# Altium PCB Einsy_Rambo.PcbDoc (part 1 of 5) (continued)
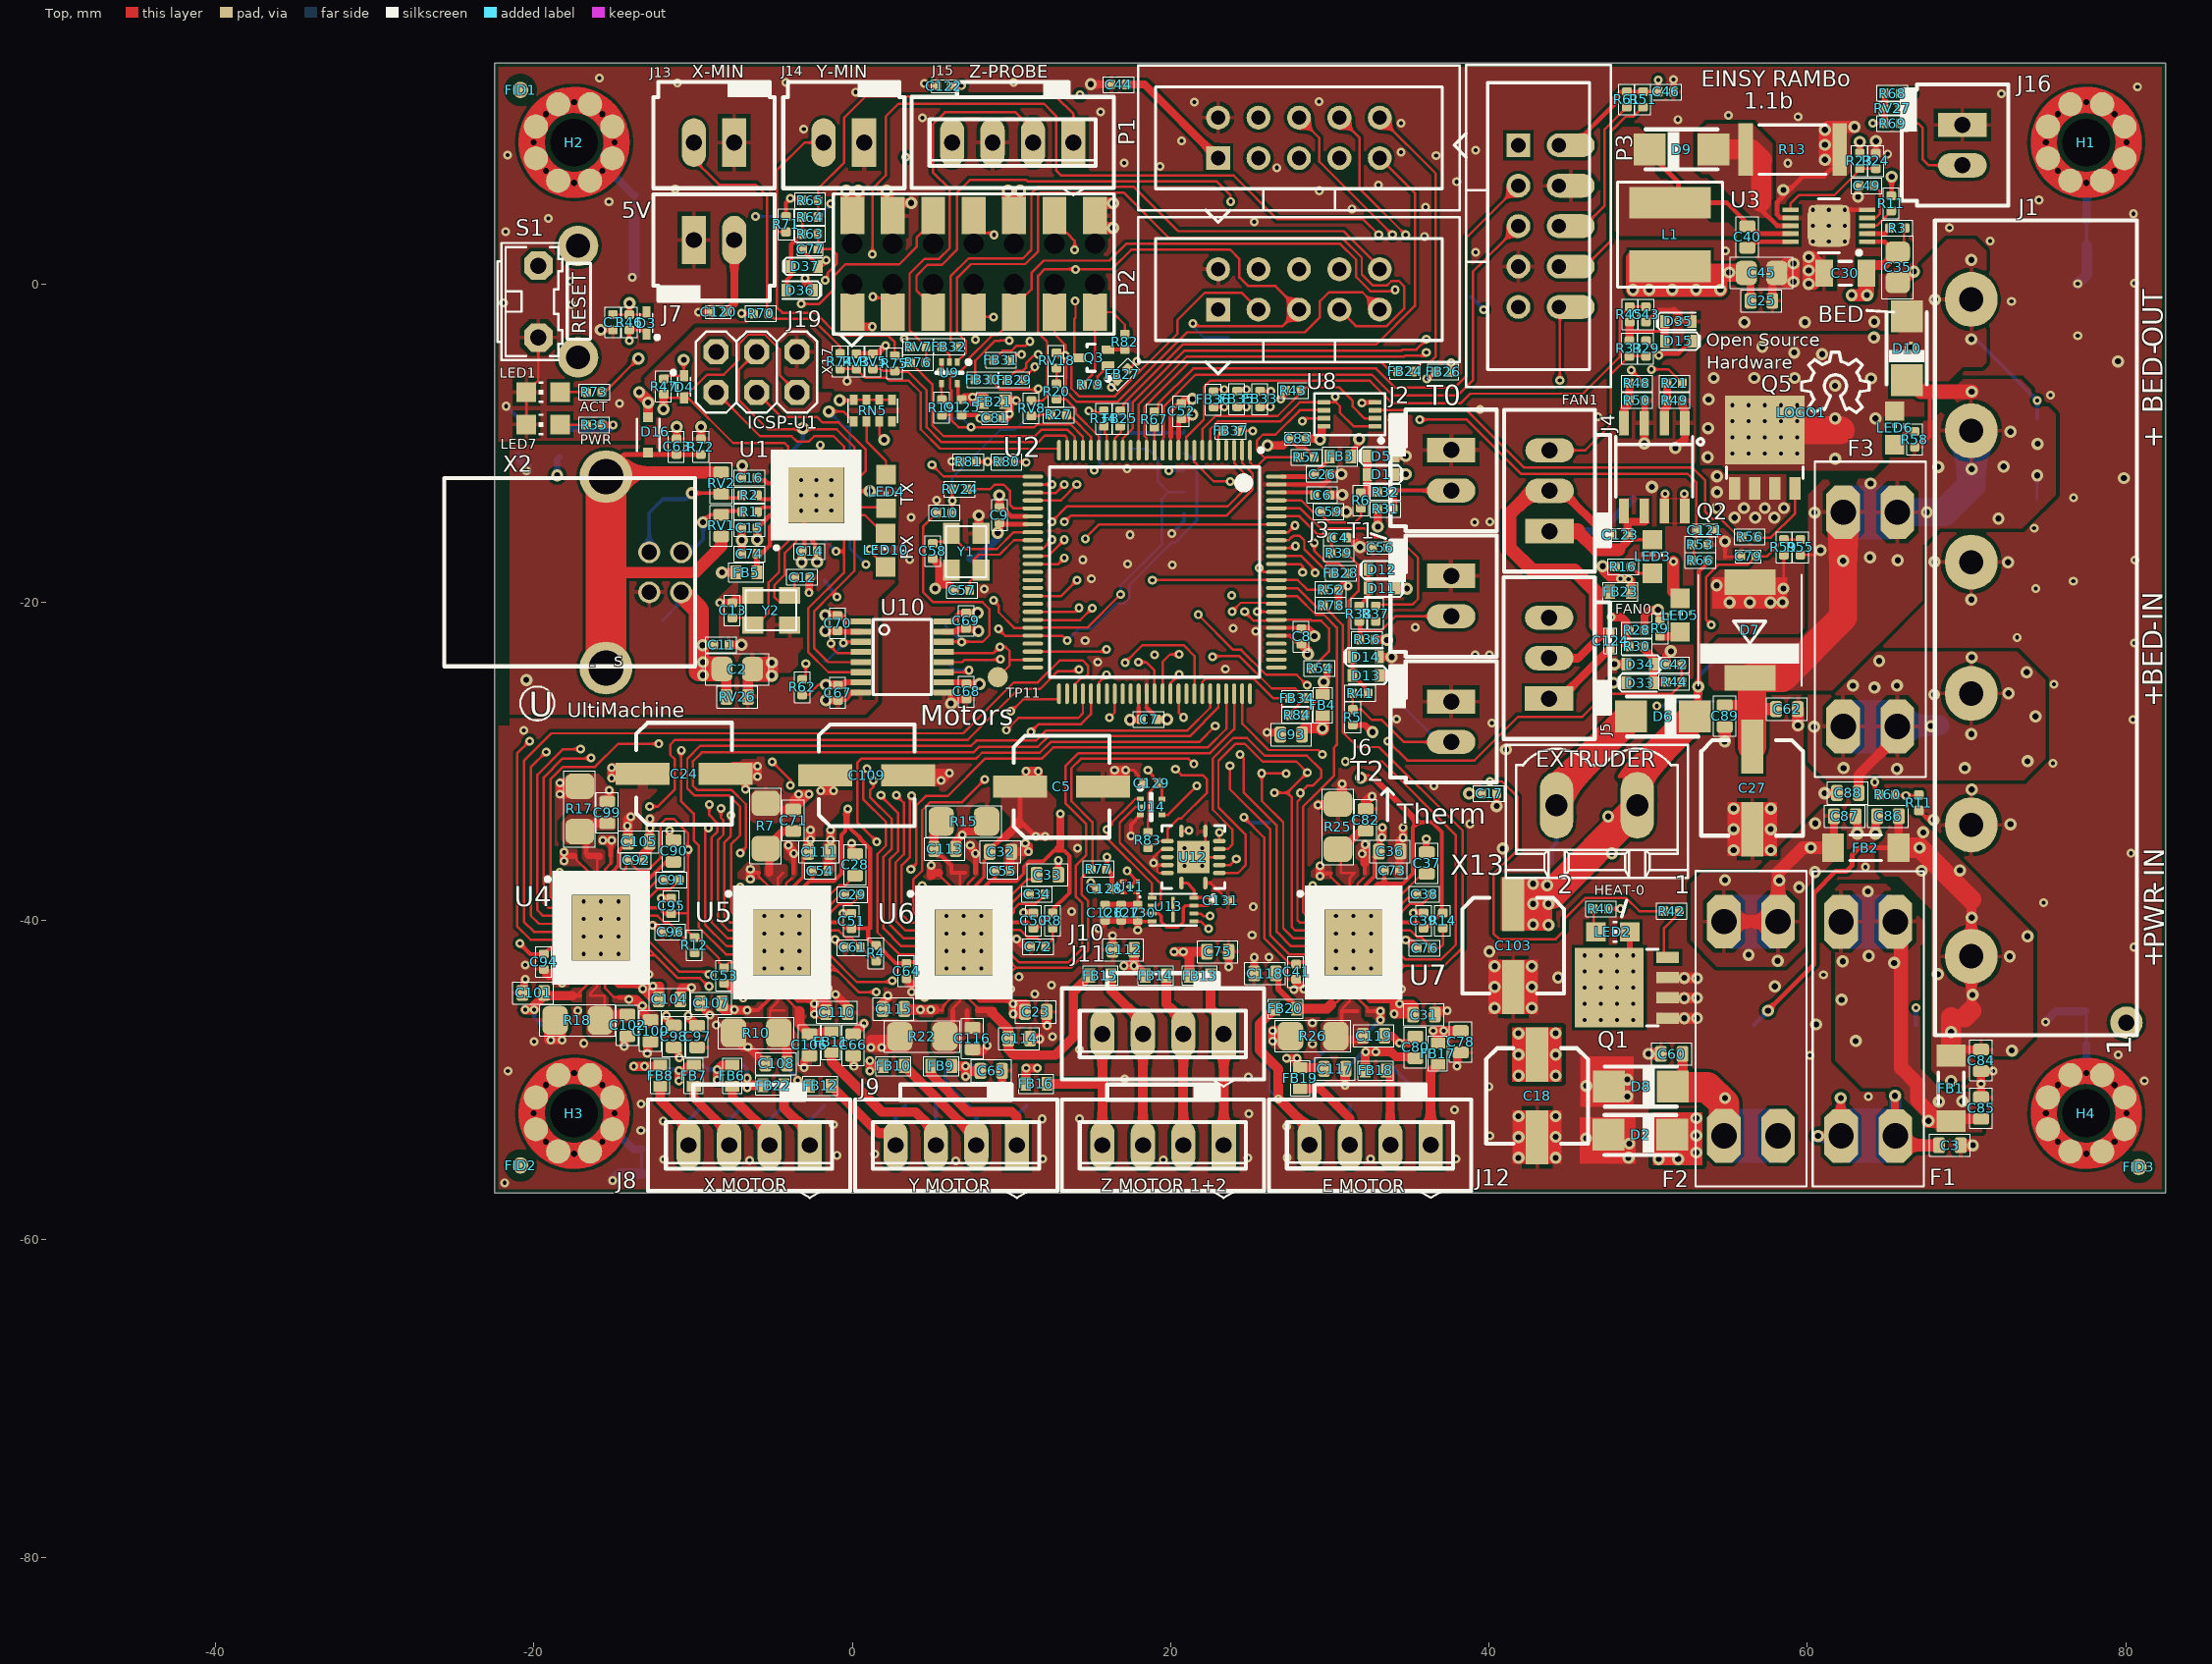
[diagram p0: Top view]
## Components (designator, comment, footprint, x,y, rotation, side; value= is the part's Value field where it differs from the comment) (continued)
C109 "UWT1V101MCL1GS" CAP-ELEC-063063077 0.898,-30.861 r180 top locked value=100uF
C110 "100nF" C0603 -0.972,-45.752 r180 top
C111 "100nF" C0603 -2.089,-35.668 r180 top
C112 "1nF" C0603 17.025,-41.825 r180 top
C113 "100nF" C0603 5.81,-35.49 r180 top
C114 "1nF" C0603 10.484,-47.403 r0 top
C115 "1nF" C0603 2.584,-45.549 r180 top
C116 "100nF" C0603 7.544,-47.396 r90 top
C117 "1nF" C0603 30.321,-49.308 r0 top
C118 "1nF" C0603 25.927,-43.313 r180 top
C119 "100nF" C0603 32.76,-47.225 r180 top
C120 "100nF" C0402#2 -8.414,-1.746 r0 top
C121 "100nF" C0402#2 53.594,-15.469 r0 top
C122 "100nF" C0402#2 5.759,12.452 r0 top
C123 "100nF" C0402#2 48.235,-15.748 r180 top
C124 "100nF" C0402#2 47.625,-22.403 r90 top
C125 "100nF" C0402#1 6.875,-7.75 r90 top
C126 "1uF" C0402#1 15.875,-39.5 r90 top
C127 "1uF" C0402#1 16.9,-39.5 r90 top
C128 "1uF" C0402#1 15.825,-38 r0 top
C129 "100nF" C0402#1 18.775,-31.35 r0 top
C130 "100nF" C0402#1 17.925,-39.5 r90 top
C131 "100nF" C0402#1 23.125,-38.725 r0 top
D1 "BAT54" SOD523_IPC 33.217,-11.97 r180 top
D2 "SMAJ28A" SMA-SM#1 49.519,-53.452 r180 top
D3 "1N4148WT" SOD523 -12.935,-2.445 r90 top
D4 "1N4148WT" SOD523 -10.568,-6.455 r270 top
D5 "BAT54" SOD523_IPC 33.217,-10.801 r0 top
D6 "SK310A-TP" SMA-SM#2 50.921,-27.159 r180 top value=SK310A
D7 "S3A-13-F" DO-214AB 56.39,-21.744 r90 top locked
D8 "SMAJ28A" SMA-SM#1 49.542,-50.408 r180 top
D9 "SK310A-TP" SMA-SM#2 52.089,8.452 r0 top value=SK310A
D10 "SK310A-TP" SMA-SM#2 66.243,-4.039 r90 top value=SK310A
D11 "BAT54" SOD523_IPC 33.268,-19.107 r180 top
D12 "BAT54" SOD523_IPC 33.268,-17.939 r0 top
D13 "BAT54" SOD523_IPC 32.265,-24.594 r180 top
D14 "BAT54" SOD523_IPC 32.252,-23.425 r0 top
D15 "BAT54" SOD523_IPC 51.892,-3.581 r180 top
D16 "RSB39VTE-17" SOD323-R -12.829,-9.474 r270 top value=30V
D33 "BAT54" SOD523_IPC 49.473,-25.051 r0 top
D34 "BAT54" SOD523_IPC 49.473,-23.882 r180 top
D35 "BAT54" SOD523_IPC 51.892,-2.337 r0 top
D36 "BAT54" SOD523_IPC -3.302,-0.381 r180 top
D37 "BAT54" SOD523_IPC -2.997,1.118 r0 top
F1 "3557-2" 3557 63.824,-46.793 r270 top value=Fuse
F2 "3557-2" 3557 56.457,-46.783 r270 top locked value=Fuse
F3 "3557-2" 3557 63.951,-21.063 r90 top locked value=Fuse
FB1 "BLM41PG600SN1L" L1806 69.031,-50.527 r270 top value=60R
FB2 "BLM41PG600SN1L" L1806 63.671,-35.414 r180 top value=60R
FB3 "120R" FB0603 30.651,-10.827 r180 top value=120Rfb
FB4 "120R" FB0603 29.559,-26.448 r270 top value=120Rfb
FB5 "120R" FB0603 -6.661,-18.117 r0 top value=120Rfb
FB6 "120R" FB0603 -7.544,-49.738 r270 top value=120Rfb
FB7 "120R" FB0603 -9.957,-49.733 r270 top value=120Rfb
FB8 "120R" FB0603 -12.065,-49.733 r270 top value=120Rfb
FB9 "120R" FB0603 5.588,-49.124 r180 top value=120Rfb
FB10 "120R" FB0603 2.591,-49.124 r0 top value=120Rfb
FB11 "120R" FB0603 -1.321,-47.625 r270 top value=120Rfb
FB12 "120R" FB0603 -2.007,-50.368 r0 top value=120Rfb
FB13 "120R" FB0603 21.838,-43.44 r0 top value=120Rfb
FB14 "120R" FB0603 19.069,-43.44 r0 top value=120Rfb
FB15 "120R" FB0603 15.589,-43.44 r0 top value=120Rfb
FB16 "120R" FB0603 11.557,-50.241 r0 top value=120Rfb
FB17 "120R" FB0603 36.798,-48.343 r270 top value=120Rfb
FB18 "120R" FB0603 32.887,-49.409 r0 top value=120Rfb
FB19 "120R" FB0603 28.137,-49.892 r270 top value=120Rfb
FB20 "120R" FB0603 27.222,-45.523 r180 top value=120Rfb
FB21 "120R" FB0603 8.909,-7.398 r0 top value=120Rfb
FB22 "120R" FB0603 -4.953,-50.343 r0 top value=120Rfb
FB23 "120R" FB0603 48.26,-19.329 r180 top value=120Rfb
FB24 "120R" R0402#1 34.741,-5.493 r0 top value=120Rfb
FB25 "120R" R0402#1 16.825,-8.45 r270 top value=120Rfb
FB26 "120R" R0402#1 37.128,-5.518 r0 top value=120Rfb
FB27 "120R" R0402#1 16.975,-5.675 r225 top value=120Rfb
FB28 "120R" R0402#1 30.702,-18.167 r0 top value=120Rfb
FB29 "120R" R0402#1 10.179,-6.026 r0 top value=120Rfb
FB30 "120R" R0402#1 8.198,-6.001 r180 top value=120Rfb
FB31 "120R" R0402#1 9.35,-4.775 r0 top value=120Rfb
FB32 "120R" R0402#1 6.096,-3.937 r0 top value=120Rfb
FB33 "120R" R0402#1 25.622,-7.22 r90 top value=120Rfb
FB34 "120R" R0402#1 27.959,-26.016 r180 top value=120Rfb
FB35 "120R" R0402#1 24.174,-7.22 r90 top value=120Rfb
FB36 "120R" R0402#1 22.701,-7.245 r90 top value=120Rfb
FB37 "120R" R0402#1 23.775,-9.225 r180 top value=120Rfb
FID1 "FIDUCIAL" FIDUCIAL-1X2 -20.854,12.201 r0 top
FID2 "FIDUCIAL" FIDUCIAL-1X2 -20.854,-55.374 r0 top
FID3 "FIDUCIAL" FIDUCIAL-1X2 80.821,-55.474 r0 top
H1 "Hole" Wave_hole_3x7-singleSided#1 77.521,8.901 r0 top
H2 "Hole" Wave_hole_3x7-singleSided#2 -17.479,8.901 r0 top
H3 "Hole" Wave_hole_3x7-singleSided#3 -17.479,-52.099 r0 top
H4 "Hole" Wave_hole_3x7-singleSided#3 77.521,-52.099 r0 top
J1 "2-1437667-9" CON-Barrier-6-8.26mm 74.365,-21.596 r90 top locked value=6POS
J2 "CONN 2PIN VERT 0.1\" SHRD LOCKING" "70543-02 PIN-IN-PASTE" 37.621,-11.699 r270 top locked value=HDR2
J3 "CONN 2PIN VERT 0.1\" SHRD LOCKING" "70543-02 PIN-IN-PASTE" 37.621,-19.599 r270 top locked value=HDR2
J4 "Molex 70543-03" "70543-03 PIN-IN-PASTE" 43.809,-12.986 r90 top locked value=HDR3
J5 "Molex 70543-03" "70543-03 PIN-IN-PASTE" 43.783,-23.501 r90 top locked value=HDR3
J6 "CONN 2PIN VERT 0.1\" SHRD LOCKING" "70543-02 PIN-IN-PASTE" 37.621,-27.499 r270 top locked value=HDR2
J7 "CONN 2PIN VERT 0.1\" SHRD LOCKING" "70543-02 PIN-IN-PASTE" -8.687,2.769 r0 top locked value=HDR2
J8 "Molex 0705430003" "4POL254 PIN-IN-PASTE" -6.477,-54.102 r180 top locked
J9 "Molex 0705430003" "4POL254 PIN-IN-PASTE" 6.523,-54.102 r180 top locked
J10 "Molex 0705430003" "4POL254 PIN-IN-PASTE" 19.523,-47.102 r180 top locked
J11 "Molex 0705430003" "4POL254 PIN-IN-PASTE" 19.523,-54.102 r180 top locked
J12 "Molex 0705430003" "4POL254 PIN-IN-PASTE" 32.533,-54.092 r180 top locked
J13 "CONN 2PIN VERT 0.1\" SHRD LOCKING" "70543-02 PIN-IN-PASTE" -8.687,8.89 r180 top locked value=HDR2
J14 "CONN 2PIN VERT 0.1\" SHRD LOCKING" "70543-02 PIN-IN-PASTE" -0.533,8.89 r180 top locked value=HDR2
J15 "Molex 0705430003" "4POL254 PIN-IN-PASTE" 10.083,8.901 r180 top locked
J16 "CONN 2PIN VERT 0.1\" SHRD LOCKING" "70543-02 PIN-IN-PASTE" 69.742,8.731 r270 top value=HDR2
J19 "HDR14" HDR2X7_SMT_BOT_ENTRY 7.62,1.27 r0 top
JP1 "SJ" SJ -0.154,-9.724 r270 bottom
JP3 "0R0" R0805 -18.415,-9.957 r90 bottom
JP4 "0R0" R0805 -21.006,-9.957 r90 bottom
L1 "15uH" XAL50xx_VLS6045 51.378,3.118 r270 top
LED1 "YEL" LED2012120 -19.412,-6.788 r180 top
LED2 "RED" LED2012120 47.771,-40.697 r0 top
LED3 "RED" LED2012120 50.267,-17.12 r90 top
LED4 "YEL" LED2012120 2.121,-13.024 r270 top
LED5 "RED" LED2012120 52.013,-20.809 r90 top
LED6 "RED" LED2012120 65.481,-9.042 r90 top
LED7 "GRN" LED2012120 -19.412,-8.82 r180 top
LED10 "YEL" LED2012120 2.096,-16.724 r90 top
LOGO1 "OSHW_LOGO_8MILX0150-NT" OSHW_8X150_NOTEXT 59.633,-8.084 r0 top
"Net Tie1" "NetTie" "Net Tie" 77.525,-46.7 r90 bottom net-tie
"Net Tie2" "NetTie" "Net Tie" -13.691,4.851 r270 bottom net-tie
"Net Tie3" "NetTie" "Net Tie" -13.233,-55.118 r270 bottom net-tie
"Net Tie4" "NetTie" "Net Tie" 77.546,3.175 r270 bottom net-tie
P1 "HDR10" "HDR2X5 IDC" 28.061,9.188 r0 top locked
P2 "HDR10" "HDR2X5 IDC" 28.061,-0.337 r0 top locked
P3 "HDR10" "HDR2X5 IDC THIEVING" 43.115,3.644 r270 top locked
P4 "RJ-45" "RJ45 SMT" 17.375,-10.875 r90 bottom
Q1 "PSMN1R8-40YLC,115" SOT669_CLOSEDBOTVIAS 48.681,-44.211 r90 top value=N-FET
Q2 "NCV8402AD" NCV8402AD-SOIC8 50.387,-11.483 r180 top locked value=NCV8402
Q3 "MMBT3904" "SOT523 SMALL" 15.175,-4.625 r180 top value=NPN
Q5 "PSMN1R8-40YLC,115" SOT669_CLOSEDBOTVIAS 57.325,-10.274 r0 top value=N-FET
R1 "22r" R0402#1 -6.458,-14.307 r0 top value=22R
R2 "22r" R0402#1 -6.458,-13.265 r0 top value=22R
R3 "200K" R0402#1 65.653,3.524 r0 top
R4 "10R" R0402#1 1.492,-42.043 r90 top
R5 "4.7K" R0402#1 31.439,-27.21 r270 top value=4.7k
R6 "2k37" R0402#1 31.947,-13.595 r270 top
R7 "0.22R" R1206 -5.442,-34.042 r90 top
R8 "10R" R0402#1 12.592,-39.986 r90 top
R9 "1.8K" R0402#1 50.743,-21.647 r270 top
R10 "0.22R" R1206 -6.045,-47.041 r180 top
R11 "10K" R0402#1 65.272,5.074 r90 top
R12 "10R" R0402#1 -9.912,-41.535 r90 top
R13 "0.6r" 2512R-0.55 59.074,8.452 r180 top value=0.6R
R14 "10R" R0402#1 37.103,-39.986 r90 top
R15 "0.22R" R1206 7.01,-33.757 r0 top
R16 "1.8K" R0402#1 48.438,-17.755 r0 top
R17 "0.22R" R1206 -17.126,-32.976 r90 top
R18 "0.22R" R1206 -17.253,-46.26 r180 top
R19 "22r" R0402#1 5.625,-7.75 r90 top value=22R
R20 "22r" R0402#1 12.825,-6.75 r90 top value=22R
R21 "100R" R0402#1 51.664,-6.223 r180 top
R22 "0.22R" R1206 4.394,-47.269 r180 top
R23 "10K" R0402#1 63.29,7.741 r90 top
R24 "10K" R0402#1 64.306,7.741 r270 top
R25 "0.22R" R1206 30.505,-34.087 r90 top
R26 "0.22R" R1206 28.95,-47.25 r180 top
R27 "22r" R0402#1 12.975,-8.2 r180 top value=22R
R28 "1.8K" R0402#1 49.295,-21.749 r0 top
R29 "1.8K" R0402#1 49.867,-4.048 r90 top
R30 "1K" R0402#1 49.295,-22.765 r180 top
R31 "4.7K" R0402#1 33.496,-14.129 r180 top value=4.7k
R32 "2k37" R0402#1 33.496,-13.062 r180 top
R33 "1K" R0402#1 48.825,-4.045 r270 top
R34 "22r" R0402#1 15.8,-8.45 r270 top value=22R
R35 "1K" R0402#1 -16.212,-8.846 r0 top
R36 "4.7K" R0402#1 32.353,-22.333 r0 top value=4.7k
R37 "2k37" R0402#1 32.887,-20.707 r90 top
R38 "2k37" R0402#1 31.845,-20.707 r90 top
R39 "2k37" R0402#1 30.575,-16.897 r180 top
R40 "1.8K" R0402#1 47.034,-39.249 r180 top
R41 "2k37" R0402#1 31.921,-25.711 r0 top
R42 "100R" R0402#1 51.479,-39.402 r0 top
R43 "100K" R0402#1 27.705,-6.687 r0 top
R44 "1K" R0402#1 51.632,-25 r180 top
R45 "1K" R0402#1 48.838,-1.899 r270 top
R46 "10K" R0402#1 -14.002,-2.394 r270 top
R47 "10K" R0402#1 -11.843,-6.43 r90 top
R48 "100R" R0402#1 49.301,-6.223 r180 top
R49 "100K" R0402#1 51.664,-7.315 r0 top
R50 "100K" R0402#1 49.301,-7.315 r0 top
R51 "10K" R0402#1 49.682,11.608 r90 top
R52 "10K" R0402#1 30.067,-19.196 r0 top
R53 "2k37" R0402#1 53.283,-16.364 r0 top
R54 "10K" R0402#1 29.356,-24.149 r0 top
R55 "10K" R0402#1 59.563,-16.535 r270 top
R56 "100R" R0402#1 56.382,-15.881 r0 top
R57 "100K" R0402#1 28.543,-10.878 r180 top
R58 "1.8K" R0402#1 66.751,-9.754 r90 top
R59 "2k37" R0402#1 58.522,-16.535 r270 top
R60 "4.7k" R0402#1 65.049,-32.08 r180 top
R61 "10K" R0402#1 48.666,11.608 r90 top
R62 "10K" R0402#1 -3.15,-25.324 r270 top
R63 "2k37" R0402#1 -2.642,3.15 r0 top
R64 "2k37" R0402#1 -2.642,4.216 r180 top
R65 "4.7k" R0402#1 -2.642,5.258 r180 top
R66 "10K" R0402#1 53.283,-17.355 r0 top
R67 "100R" R0402#1 18.975,-8.5 r90 top
R68 "10K" R0402#1 65.348,11.982 r0 top
R69 "1K" R0402#1 65.348,10.103 r180 top
R70 "10K" R0402#1 -5.74,-1.854 r0 top
R71 "10K" R0402#1 -4.166,3.759 r270 top
R72 "1M" R0402#1 -9.518,-10.217 r270 top
R73 "1K" R0402#1 -16.205,-6.788 r0 top
R74 "100R" R0402#1 -0.762,-4.851 r90 top
R75 "100R" R0402#1 2.667,-4.978 r90 top
R76 "100R" R0402#1 4.14,-4.928 r0 top
R77 "10K" R0402#1 15.475,-36.75 r0 top
R78 "10K" R0402#1 30.067,-20.187 r0 top
R79 "1K" R0402#1 14.925,-6.325 r0 top
R80 "1.8K" R0402#1 9.696,-11.157 r180 top
R81 "2k37" R0402#1 7.309,-11.157 r180 top
R82 "10K" R0402#1 17.125,-3.625 r270 top
R83 "10K" R0402#1 18.575,-34.925 r270 top
R84 "10K" R0402#1 27.952,-27.077 r0 top
R85 "0R" R0603 20.85,-9.825 r90 bottom
R86 "R0603TBD" R0603 20.85,-12.4 r90 bottom
R87 "100K" R0603 20.85,-13.75 r90 bottom
RN5 "1K" CAY16 1.296,-7.949 r180 top
RT1 "NTCG104LH104JT1" R0402#2 67.005,-32.588 r90 top
RV1 "CG0603MLC-05E" R0603 -8.236,-15.17 r90 top value=5V
RV2 "CG0603MLC-05E" R0603 -8.236,-12.503 r270 top value=5V
RV3 "VRS0402SR55R101N" C0402#1 0.254,-4.851 r270 top value=12V
RV5 "VRS0402SR55R101N" C0402#1 1.295,-4.851 r270 top value=12V
RV7 "VRS0402SR55R101N" C0402#1 4.14,-3.937 r0 top value=12V
RV8 "120R" R0402#1 11.25,-7.8 r90 top value=120Rfb
RV18 "120R" R0402#1 12.825,-4.8 r90 top value=120Rfb
RV24 "0R" R0402#1 6.75,-12.884 r0 top
RV26 "CG0603MLC-05E" R0603 -7.233,-25.94 r180 top value=5V
RV27 "VRS0402SR55R101N" C0402#2 65.322,11.043 r180 top value=12V
S1 "1571610-2" B3F-31XX -18.479,-1.099 r270 top locked value="Tact PB R/A"
TP1 "TestPoint" TP1-27 -19.539,-46.539 r90 bottom
TP2 "TestPoint" TP1-27 8.401,-49.079 r90 bottom
TP3 "TestPoint" TP1-27 54.121,-23.679 r180 bottom
TP4 "TestPoint" TP1-27 3.321,-49.079 r90 bottom
TP5 "TestPoint" TP1-27 23.641,-49.079 r90 bottom
TP6 "TestPoint" TP1-27 18.561,-49.079 r90 bottom
TP7 "TestPoint" TP1-27 21.101,-49.079 r90 bottom
TP8 "TestPoint" TP1-27 26.181,-33.839 r90 bottom
TP9 "TestPoint" TP1-27 33.801,-49.079 r90 bottom
TP10 "TestPoint" TP1-27 28.721,-49.079 r90 bottom
TP11 "TestPoint" TP1-27 9.138,-24.695 r90 top
TP15 "TestPoint" TP1-27 33.801,-26.219 r90 bottom
TP16 "TestPoint" TP1-27 74.441,-13.519 r180 bottom
TP17 "TestPoint" TP1-27 43.961,-36.379 r180 bottom
TP18 "TestPoint" TP1-27 74.441,-8.439 r180 bottom
TP19 "TestPoint" TP1-27 31.261,-49.079 r90 bottom
TP20 "TestPoint" TP1-27 33.801,-13.519 r180 bottom
TP21 "TestPoint" TP1-27 33.801,-21.139 r180 bottom
TP22 "TestPoint" TP1-27 49.041,-13.519 r90 bottom
TP23 "TestPoint" TP1-27 51.581,-18.599 r90 bottom
TP24 "TestPoint" TP1-27 -1.759,-23.679 r180 bottom
TP25 "TestPoint" TP1-27 -1.759,-18.599 r180 bottom
TP26 "TestPoint" TP1-27 -1.759,-16.059 r180 bottom
TP28 "TestPoint" TP1-27 -9.379,-16.059 r90 bottom
TP29 "TestPoint" TP1-27 5.861,-21.139 r180 bottom
TP30 "TestPoint" TP1-27 8.401,-23.679 r180 bottom
TP31 "TestPoint" TP1-27 5.861,-23.679 r180 bottom
TP32 "TestPoint" TP1-27 38.881,-0.819 r90 bottom
TP33 "TestPoint" TP1-27 54.121,-26.219 r90 bottom
TP34 "TestPoint" TP1-27 5.861,-8.439 r180 bottom
TP35 "TestPoint" TP1-27 -11.919,-13.519 r90 bottom
TP36 "TestPoint" TP1-27 23.641,-3.359 r180 bottom
TP37 "TestPoint" TP1-27 10.941,-8.439 r180 bottom
TP38 "TestPoint" TP1-27 -4.299,4.261 r180 bottom
TP39 "TestPoint" TP1-27 -4.299,-51.619 r90 bottom
TP40 "TestPoint" TP1-27 3.346,6.801 r180 bottom
TP41 "TestPoint" TP1-27 -1.759,-51.619 r90 bottom
TP42 "TestPoint" TP1-27 -4.299,-10.979 r180 bottom
TP43 "TestPoint" TP1-27 -6.839,-8.439 r180 bottom
TP44 "TestPoint" TP1-27 -11.919,-5.899 r180 bottom
TP45 "TestPoint" TP1-27 -4.299,-8.439 r180 bottom
TP46 "TestPoint" TP1-27 -11.919,-21.139 r180 bottom
TP47 "TestPoint" TP1-27 -14.459,-18.599 r180 bottom
TP48 "TestPoint" TP1-27 16.021,11.881 r180 bottom
TP49 "TestPoint" TP1-27 -9.379,-51.619 r90 bottom
TP50 "TestPoint" TP1-27 5.861,-49.079 r90 bottom
TP51 "TestPoint" TP1-27 16.021,-49.079 r90 bottom
TP52 "TestPoint" TP1-27 26.181,-49.079 r90 bottom
TP53 "TestPoint" TP1-27 -4.299,-49.079 r90 bottom
TP54 "TestPoint" TP1-27 -1.759,4.261 r90 bottom
TP55 "TestPoint" TP1-27 13.481,-5.899 r90 bottom
TP56 "TestPoint" TP1-27 -6.839,-51.619 r90 bottom
TP57 "TestPoint" TP1-27 10.941,-51.619 r90 bottom
TP58 "TestPoint" TP1-27 3.321,-51.619 r90 bottom
TP59 "TestPoint" TP1-27 33.801,-51.619 r90 bottom
TP60 "TestPoint" TP1-27 31.261,-51.619 r90 bottom
TP66 "TestPoint" TP1-27 56.661,-46.539 r180 bottom
TP67 "TestPoint" TP1-27 61.741,-46.539 r180 bottom
TP68 "TestPoint" TP1-27 66.821,-46.539 r180 bottom
TP69 "TestPoint" TP1-27 48.965,-52.432 r90 bottom
TP73 "TestPoint" TP1-27 -6.839,-49.079 r90 bottom
TP74 "TestPoint" TP1-27 -11.919,-49.079 r90 bottom
TP75 "TestPoint" TP1-27 -9.379,-49.079 r90 bottom
U1 "Atmega32u2" QFN32_DualSolderMask -2.267,-13.265 r90 top value=ATMEGA32U2
U2 "Atmega2560" TSQFP50P1600X1600X120-100L 18.987,-18.091 r270 top locked value=ATMEGA2560
U3 "LM25011MY/NOPB" VSSOP10_CLOSEDBOTVIAS 61.352,3.666 r180 top locked
U4 "TMC2130-LA" QFN36-DualSolderMask -15.789,-40.442 r0 top locked value=TMC2130
U5 "TMC2130-LA" QFN36-DualSolderMask -4.426,-41.356 r0 top locked value=TMC2130
U6 "TMC2130-LA" QFN36-DualSolderMask 7.004,-41.356 r0 top locked value=TMC2130
U7 "TMC2130-LA" QFN36-DualSolderMask 31.49,-41.356 r0 top locked value=TMC2130
U8 "74LVC2G08" VSSOP8 31.242,-8.179 r180 top value=-NA-
U9 "74AHCT1G125" SOTFL50P160X60-5L 6.1,-5.575 r270 top
U10 "ADUM7441" QSOP16 3.121,-23.424 r270 top value=ADUM7441ARQZ
U11 "LDO 3.3V 250mA" "XDFN4 1X1" 17.45,-37.875 r90 top
U12 "SN74LVC125A" PVQFN14_3.5X3.5 21.425,-36 r90 top
U13 "2Mb" "USON8 2X3" 20.15,-39.3 r0 top
U14 "74AHCT1G125" SOTFL50P160X60-5L 18.775,-32.85 r0 top
X2 "USB-B" PN61729 -15.479,-18.099 r270 top locked
X13 "0395311002" MSTBV2 46.78,-32.747 r180 top
X17 "PINHD-2X3" 2X03 -6.013,-5.529 r0 top locked value=6PIN
Y1 "7M-16.000MEEQ-T" CRYS320250 7.16,-16.821 r90 top value=16MHz
Y2 "7M-16.000MEEQ-T" CRYS320250 -5.112,-20.504 r0 top value=16MHz

## Footprints (in the part's own frame and the unit in brackets; to place one, negate y for a bottom-side part, rotate by r counter-clockwise, add the part's x,y. Pads: shape width x height; smd on the part's side, far side on the other; paste and mask are expansions set on the pad)
2X03 [mil]
  oct 62x62 hole 38: 1(-100,-50) 2(-100,50) 3(0,-50) 4(0,50) 5(100,-50) 6(100,50)
  silkscreen extent -150,-100 150,100, body extent -153,-103 153,103, height 336
"4POL254 PIN-IN-PASTE" [mil]
  rect 60x120 hole 40: 1(-150,0)
  oval 60x120 hole 40: 2(-50,0) 3(50,0) 4(150,0)
  rect 59x119 on Top Paste: ""(-150,0)
  oval 59x119 on Top Paste: ""(-50,0) ""(50,0) ""(150,0)
  silkscreen extent -250,-150 250,130, body extent -250,-150 250,113, height 454
2512R-0.55 [mm] "2512 Resistor 6.35mm x 3.2mm x 0.55mm"
  rect 0.9x3.3 smd: 1(-2.95,0) 2(2.95,0)
  silkscreen extent -2.1,-1.55 2.1,1.55, body extent -3.22,-1.68 3.22,1.68, height 0.65
3557 [mil] "3557"
  oct 133x83 hole 63: 1(-265,-67) 1(-265,67) 2(265,-67) 2(265,67)
  silkscreen extent -390,-138 390,138, body extent -392,-140 392,140, height 709
"70543-02 PIN-IN-PASTE" [mil]
  rect 60x120 hole 40: 1(-50,0)
  oval 60x120 hole 40: 2(50,0)
  rect 59x119 on Top Paste: ""(-50,0)
  oval 59x119 on Top Paste: ""(50,0)
  silkscreen extent -150,-150 150,113, body extent -150,-150 150,113, height 450
"70543-03 PIN-IN-PASTE" [mil]
  rect 60x120 hole 40: 1(-100,0)
  oval 60x120 hole 40: 2(0,0) 3(100,0)
  rect 59x119 on Top Paste: ""(-100,0)
  oval 59x119 on Top Paste: ""(0,0) ""(100,0)
  silkscreen extent -200,-150 200,113, body extent -200,-150 200,113, height 450
B3F-31XX [mil]
  oct 70x70 hole 40: 1(-89,-49) 2(89,-49)
  round 100 hole 59: 3(-138,49) 4(138,49)
  silkscreen extent -145,-150 145,10, body extent -165,-200 165,109, height 303
C0402#1 [mil]
  rrect40% 22x24 smd: 1(-18.7,0) 2(19,0)
  silkscreen extent -38,-19 38,20, body extent -20,-10 20,10, height 20
C0402#2 [mil] "Chip Capacitor, Ceramic, 0402, Manually adjusted"
  rect 21.65x19.68 smd: 1(-18.7,0) 2(18.7,0)
  silkscreen extent -31,-16 31,16, body extent -21,-11 21,11, height 20
C0603 [mm]
  rrect40% 0.74x1 smd: 1(-0.68,0) 2(0.68,0)
  silkscreen extent -1.28,-0.7 1.28,0.7, body extent -0.8,-0.4 0.8,0.4, height 0.8
C0805 [mil]
  rrect50% 52x60 smd: 1(-37.4,0) 2(38,0)
  silkscreen extent -78,-39 78,39, body extent -40,-30 40,30, height 35
C1206 [mm]
  rect 1.1x1.7 smd: 1(-1.325,0) 2(1.325,0)
  silkscreen extent -0.4,-0.75 0.4,0.75, body extent -1.68,-0.87 1.67,0.88, height 1.6
CAP-ELEC-063063077 [mm] "6.3x6.3x7.7mm"
  rect 3.4x1.4 smd: 1(2.6,0) 2(-2.6,0)
  silkscreen extent -3,-3.2 3,3.2, body extent -3.5,-3.3 3.5,3.3, height 5.4
CAY16 [mil]
  rect 20x26 smd: 1(-47.24,-26.57) 2(-15.75,-26.57) 3(16,-26.57) 4(48,-26.57) 5(48,27) 6(16,27) 7(-15.75,27) 8(-47.24,27)
  silkscreen extent -61,-30 62,30, body extent -61,-30 62,30, height 20
CON-Barrier-6-8.26mm [mil]
  oval 136x130 hole 60: 1(-812.5,160) 2(-487.5,160) 3(-162.5,160) 4(162.5,160) 5(487.5,160) 6(812.5,160)
  silkscreen extent -1008,-250 1008,250, body extent -1007,-250 1007,250, height 530
CRYS320250 [mil]
  rect 52x42 smd: 1(-45.28,-36.42) 2(46,-36.42) 3(46,37) 4(-45.28,37)
  silkscreen extent -63,-49 63,50, body extent -63,-49 63,50, height 28
DO-214AB [mil]
  rect 63x126 smd: A(119,0) C(-118.11,0)
  silkscreen extent -138,-128 138,128, body extent -140,-130 140,130, height 98
FB0603 [mm] "Ferrite Bead, Samsung CIS10P High Current Series"
  rect 0.67x0.88 smd: 1(-0.665,0) 2(0.665,0)
  silkscreen extent -1.1,-0.6 1.1,0.6, body extent -0.87,-0.48 0.87,0.48, height 0.95
FIDUCIAL-1X2 [mil]
  rrect100% 40x40 smd paste-3897.64 mask+20: 1(0,0)
  body extent -20,-20 20,20, height 1
"HDR2X5 IDC" [mm] "Connector; Header; 5x2 Position"
  rect 1.5x1.5 hole 0.9: 1(-5.08,-1.27)
  round 1.5 hole 0.9: 2(-5.08,1.27) 3(-2.54,-1.27) 4(-2.54,1.27) 5(0,-1.27) 6(0,1.27) 7(2.54,-1.27) 8(2.54,1.27) 9(5.08,-1.27) 10(5.08,1.27)
  silkscreen extent -10.11,-5.31 10.11,4.55, body extent -10.19,-4.63 10.19,4.63, height 9.1
"HDR2X5 IDC THIEVING" [mm] "Connector; Header; 5x2 Position"
  rect 1.5x1.5 hole 0.9 mask+0.051: 1(-5.08,-1.27)
  oval 1.5x3 hole 0.9 copper offset 0,0.75 mask-0.914: 2(-5.08,1.27) 4(-2.54,1.27) 6(0,1.27) 8(2.54,1.27) 10(5.08,1.27)
  round 1.5 hole 0.9 mask+0.051: 3(-2.54,-1.27) 5(0,-1.27) 7(2.54,-1.27) 9(5.08,-1.27)
  rect 1.5x1.5 smd far side paste-0.762: ""(-5.08,4.521) ""(-2.54,4.521) ""(0,4.521) ""(2.54,4.521) ""(5.08,4.521)
  round 1.602 on Top Solder: ""(-5.08,1.27) ""(-2.54,1.27) ""(0,1.27) ""(2.54,1.27) ""(5.08,1.27)
  round 1.602 on Bottom Solder: ""(-5.08,1.27) ""(-2.54,1.27) ""(0,1.27) ""(2.54,1.27) ""(5.08,1.27)
  silkscreen extent -10.11,-5.31 10.11,4.55, body extent -10.19,-4.63 10.19,4.63, height 9.1
HDR2X7_SMT_BOT_ENTRY [mm]
  rect 1.5x2.33 smd: 1(-7.62,-3.035) 2(-7.62,3.035) 3(-5.08,-3.035) 4(-5.08,3.035) 5(-2.54,-3.035) 6(-2.54,3.035) 7(0,-3.035) 8(0,3.035) 9(2.54,-3.035) 10(2.54,3.035) 11(5.08,-3.035) 12(5.08,3.035) 13(7.62,-3.035) 14(7.62,3.035)
  round 0 hole 1.28 unplated: ""(-7.62,-1.27) ""(-7.62,1.27) ""(-5.08,-1.27) ""(-5.08,1.27) ""(-2.54,-1.27) ""(-2.54,1.27) ""(0,-1.27) ""(0,1.27) ""(2.54,-1.27) ""(2.54,1.27) ""(5.08,-1.27) ""(5.08,1.27) ""(7.62,-1.27) ""(7.62,1.27)
  silkscreen extent -8.82,-5.15 8.82,4.4, body extent -8.79,-3.82 8.79,3.83, height 6.2
L1806 [mm] "Chip Inductor, 2-Leads, Body 4.50x1.60mm, IPC Medium Density"
  rect 1.38x1.8 smd: 1(-2.06,0) 2(2.06,0)
  silkscreen extent -1,-0.8 1,0.8, body extent -2.35,-0.9 2.35,0.9, height 1.8
LED2012120 [mil]
  rect 48x48 smd: A(-41.34,0) C(42,0)
  silkscreen extent 0,-27 12,27, body extent -50,-25 50,25, height 28
MSTBV2 [mil]
  oval 82.5x165 hole 55: 1(-100,0) 2(100,0)
  silkscreen extent -225,-150 225,180, body extent -228,-153 228,183, height 394
NCV8402AD-SOIC8 [mil]
  rect 24x60 smd: 1(-75,-108.27) 2(-25,-108.27) 3(25,-108.27) 4(75,-108.27) 5(25,109) 5(75,109) 7(-75,109) 7(-25,109)
  silkscreen extent -122,-75 95,75, body extent -98,-130 99,130, height 58
"Net Tie" [mil]
  rrect50% 46x63 smd: 1(-30,0) 2(30,0)
  Top lines w8: -30,0 30,0
  silkscreen extent -65,-40 65,40, body extent -53,-31 53,31, height 4
OSHW_8X150_NOTEXT [mm]
  silkscreen extent 0,0 4.24,3.81, body extent 0,0.05 4.27,3.76
PN61729 [mil]
  round 54 hole 38: 1(50,186) 2(-49.21,186) 3(-49.21,107) 4(50,107)
  round 130.5 hole 87: P$1(-236.22,0) P$2(237,0)
  silkscreen extent -232,-400 233,221, body extent -237,-405 238,226, height 406
PVQFN14_3.5X3.5 [mm] "QFN, 14-Leads, Body 3.50x3.50mm, Pitch 1.50mm/0.50mm, Thermal Pad 2.05x2.05mm, IPC High Density"
  oval 0.8x0.28 smd: 1(-1.631,-0.75) 7(1.631,-0.75) 8(1.631,0.75) 14(-1.631,0.75)
  oval 0.28x0.8 smd: 2(-1,-1.631) 3(-0.5,-1.631) 4(0,-1.631) 5(0.5,-1.631) 6(1,-1.631) 9(1,1.631) 10(0.5,1.631) 11(0,1.631) 12(-0.5,1.631) 13(-1,1.631)
  rect 2.05x2.05 smd paste-1.143: 15(0,0)
  silkscreen extent -2.66,-1.97 1.97,1.97, body extent -1.83,-1.83 1.83,1.83, height 1
QFN32_DualSolderMask [mm]
  rrect80% 0.8x0.28 smd mask+0.05: 1(-2.4,1.75) 2(-2.4,1.25) 3(-2.4,0.75) 4(-2.4,0.25) 5(-2.4,-0.25) 6(-2.4,-0.75) 7(-2.4,-1.25) 8(-2.4,-1.75) 17(2.413,-1.75) 18(2.413,-1.25) 19(2.413,-0.75) 20(2.413,-0.25) 21(2.413,0.25) 22(2.413,0.75) 23(2.413,1.25) 24(2.413,1.75)
  rrect80% 0.28x0.8 smd mask+0.05: 9(-1.75,-2.4) 10(-1.25,-2.4) 11(-0.75,-2.4) 12(-0.25,-2.4) 13(0.25,-2.4) 14(0.75,-2.4) 15(1.25,-2.4) 16(1.75,-2.4) 25(1.75,2.413) 26(1.25,2.413) 27(0.75,2.413) 28(0.25,2.413) 29(-0.25,2.413) 30(-0.75,2.413) 31(-1.25,2.413) 32(-1.75,2.413)
  rect 3.48x3.48 smd paste-4: 33(0,0)
  silkscreen extent -3.4,-2.86 2.87,2.87, body extent -2.84,-2.84 2.86,2.86, height 1
QFN36-DualSolderMask [mm] "QFN, 36-Leads, Body 5.00x6.00mm, Pitch 0.50mm, Thermal Pad 3.60x4.10mm, IPC Medium Density"
  oval 0.85x0.25 smd mask+0.051: 1(-2.43,2.25) 2(-2.43,1.75) 3(-2.43,1.25) 4(-2.43,0.75) 5(-2.43,0.25) 6(-2.43,-0.25) 7(-2.43,-0.75) 8(-2.43,-1.25) 9(-2.43,-1.75) 10(-2.43,-2.25) 19(2.43,-2.25) 20(2.43,-1.75) 21(2.43,-1.25) 22(2.43,-0.75) 23(2.43,-0.25) 24(2.43,0.25) 25(2.43,0.75) 26(2.43,1.25) 27(2.43,1.75) 28(2.43,2.25)
  oval 0.25x0.85 smd mask+0.051: 11(-1.75,-2.925) 12(-1.25,-2.925) 13(-0.75,-2.925) 14(-0.25,-2.925) 15(0.25,-2.925) 16(0.75,-2.925) 17(1.25,-2.925) 18(1.75,-2.925) 29(1.75,2.925) 30(1.25,2.925) 31(0.75,2.925) 32(0.25,2.925) 33(-0.25,2.925) 34(-0.75,2.925) 35(-1.25,2.925) 36(-1.75,2.925)
  rect 3.6x4.1 smd paste-2.159 mask+0.051: 37(0,0)
  rect 1.34x1.57 on Top Paste: ""(-0.821,-0.936) ""(-0.82,0.935) ""(0.82,-0.936) ""(0.82,0.936)
  silkscreen extent -3.47,-3.58 3.08,3.58, body extent -2.55,-3.05 2.55,3.05, height 0.9
QSOP16 [mil]
  rect 15x50 smd: 1(-87.5,-102.36) 2(-62.5,-102.36) 3(-37.5,-102.36) 4(-12.5,-102.36) 5(13,-102.36) 6(38,-102.36) 7(63,-102.36) 8(88,-102.36) 9(88,103) 10(63,103) 11(38,103) 12(13,103) 13(-12.5,103) 14(-37.5,103) 15(-62.5,103) 16(-87.5,103)
  round 25 on Top Overlay: ""(-115,-100)
  silkscreen extent -92,-72 93,73, body extent -95,-125 95,125, height 65
R0402#1 [mil]
  rrect40% 22x24 smd: 1(-18.9,0) 2(19,0)
  silkscreen extent -38,-19 38,20, body extent -20,-10 20,10, height 14
R0402#2 [mil]
  rrect40% 23.62x24 smd: 1(-18.9,0) 2(19,0)
  body extent -20,-10 20,10, height 14
R0603 [mm]
  rrect40% 0.74x1 smd: 1(-0.68,0) 2(0.68,0)
  body extent -0.8,-0.4 0.8,0.4, height 0.8
R0805 [mm]
  rect 0.85x1.25 smd: 1(-0.925,0) 2(0.925,0)
  silkscreen extent -0.1,-0.53 0.1,0.53, body extent -1.1,-0.7 1.1,0.7, height 0.5
R1206 [mil]
  rrect50% 63x71 smd: 1(-55.98,0) 2(56,0)
  silkscreen extent -94,-39 94,39, body extent -61,-31 61,31, height 24
"RJ45 SMT" [mm] "RJCSE538001"
  rect 0.61x3.05 smd: 1(3.57,0) 2(2.55,0) 3(1.53,0) 4(0.51,0) 5(-0.51,0) 6(-1.53,0) 7(-2.55,0) 8(-3.57,0)
  rect 0.9x3.3 smd paste-4 mask-4: 9(7.86,-10.28) 10(-7.86,-10.28)
  silkscreen extent -7.14,-16 7.14,1
SJ [mil]
  rrect50% 46x63 smd paste-32: 1(-30,0) 2(30,0)
  silkscreen extent -65,-40 65,40, body extent -53,-31 53,31, height 4
SMA-SM#1 [mil]
  rect 79x79 smd: A(79,0) K(-78.74,0)
  silkscreen extent -89,-49 89,50, body extent -105,-54 105,55, height 116
SMA-SM#2 [mil]
  rect 79x79 smd: A(79,0) C(-78.74,0)
  silkscreen extent -89,-49 89,50, body extent -105,-54 105,55, height 116
SOD323-R [mil]
  rect 24x24 smd: A(44,0) C(-43.31,0)
  round 30 on Top Overlay: ""(-60,35)
  silkscreen extent -39,-28 40,28, body extent -50,-31 50,31, height 28
SOD523 [mil]
  rect 28x20 smd: A(27.56,0) C(-27.56,0)
  silkscreen extent -40,-31 24,16, body extent -30,-16 30,16, height 28
SOD523_IPC [mm]
  rect 0.6x0.8 smd: A(0.85,0) K(-0.85,0)
  silkscreen extent -1.35,-0.55 1.07,0.55, body extent -0.65,-0.45 0.65,0.45, height 0.65
"SOT523 SMALL" [mm]
  rect 0.8x0.55 smd: 1(-0.9,0.5) 2(-0.9,-0.5) 3(0.9,0)
  silkscreen extent -1.03,-0.85 0.43,1.45, body extent -0.43,-0.85 0.43,0.85, height 0.8
SOT669_CLOSEDBOTVIAS [mm]
  rect 0.711x1.422 smd: 1(-1.905,-2.55) 2(-0.635,-2.55) 3(0.635,-2.55) 4(1.905,-2.55)
  rect 5.004x4.318 smd paste-2.6: TAB(0,1.118)
  rect 2.26x1.91 on Top Paste: ""(-1.351,2.315) ""(-1.351,-0.036) ""(1.351,-0.037) ""(1.351,2.314)
  silkscreen extent -2.4,-1.95 2.41,-1.22, body extent -2.44,-3.05 2.46,3.25, height 1.1
SOTFL50P160X60-5L [mm] "SOTFL, 5-Leads, Body 1.60x1.60mm, Pitch 0.50mm, IPC High Density"
  rect 0.45x0.3 smd: 1(-0.675,0.503) 2(-0.675,0) 3(-0.675,-0.503) 4(0.675,-0.5) 5(0.675,0.5)
  silkscreen extent -0.8,-0.85 0.05,1.33, body extent -0.8,-0.85 0.8,0.85, height 0.6
TP1-27 [mm]
  rrect100% 1.27x1.27 smd paste-1.27: TP(0,0)
  body extent -0.64,-0.64 0.63,0.64, height 0.01
TSQFP50P1600X1600X120-100L [mm] "TSQFP, 100-Leads, Body 14.00x14.00mm, Pitch 0.50mm, IPC High Density"
  oval 1.3x0.25 smd: 1(-7.65,6) 2(-7.65,5.5) 3(-7.65,5) 4(-7.65,4.5) 5(-7.65,4) 6(-7.65,3.5) 7(-7.65,3) 8(-7.65,2.5) 9(-7.65,2) 10(-7.65,1.5) 11(-7.65,1) 12(-7.65,0.5) 13(-7.65,0) 14(-7.65,-0.5) 15(-7.65,-1) 16(-7.65,-1.5) 17(-7.65,-2) 18(-7.65,-2.5) 19(-7.65,-3) 20(-7.65,-3.5) 21(-7.65,-4) 22(-7.65,-4.5) 23(-7.65,-5) 24(-7.65,-5.5) 25(-7.65,-6) 51(7.65,-6) 52(7.65,-5.5) 53(7.65,-5) 54(7.65,-4.5) 55(7.65,-4) 56(7.65,-3.5) 57(7.65,-3) 58(7.65,-2.5) 59(7.65,-2) 60(7.65,-1.5) 61(7.65,-1) 62(7.65,-0.5) 63(7.65,0) 64(7.65,0.5) 65(7.65,1) 66(7.65,1.5) 67(7.65,2) 68(7.65,2.5) 69(7.65,3) 70(7.65,3.5) 71(7.65,4) 72(7.65,4.5) 73(7.65,5) 74(7.65,5.5) 75(7.65,6)
  oval 0.25x1.3 smd: 26(-6,-7.65) 27(-5.5,-7.65) 28(-5,-7.65) 29(-4.5,-7.65) 30(-4,-7.65) 31(-3.5,-7.65) 32(-3,-7.65) 33(-2.5,-7.65) 34(-2,-7.65) 35(-1.5,-7.65) 36(-1,-7.65) 37(-0.5,-7.65) 38(0,-7.65) 39(0.5,-7.65) 40(1,-7.65) 41(1.5,-7.65) 42(2,-7.65) 43(2.5,-7.65) 44(3,-7.65) 45(3.5,-7.65) 46(4,-7.65) 47(4.5,-7.65) 48(5,-7.65) 49(5.5,-7.65) 50(6,-7.65) 76(6,7.65) 77(5.5,7.65) 78(5,7.65) 79(4.5,7.65) 80(4,7.65) 81(3.5,7.65) 82(3,7.65) 83(2.5,7.65) 84(2,7.65) 85(1.5,7.65) 86(1,7.65) 87(0.5,7.65) 88(0,7.65) 89(-0.5,7.65) 90(-1,7.65) 91(-1.5,7.65) 92(-2,7.65) 93(-2.5,7.65) 94(-3,7.65) 95(-3.5,7.65) 96(-4,7.65) 97(-4.5,7.65) 98(-5,7.65) 99(-5.5,7.65) 100(-6,7.65)
  silkscreen extent -7.77,-6.6 6.6,6.8, body extent -7,-7 7,7, height 1.2
"USON8 2X3" [mm]
  rect 0.55x0.25 smd paste-0.025 mask+0.051: 1(-1.32,0.75) 2(-1.32,0.25) 3(-1.32,-0.25) 4(-1.32,-0.75) 5(1.32,-0.75) 6(1.32,-0.25) 7(1.32,0.25) 8(1.32,0.75)
  rect 0.2x1.6 smd paste-0.025 mask+0.051: 9(0,0)
  round 0.508 on Top Overlay mask+0.051: ""(-1.86,1.15)
  silkscreen extent -1.5,-1 1.5,1, body extent -1.55,-1.05 1.55,1.05, height 0.6
VSSOP8 [mm]
  rect 0.8x0.296 smd: 1(-1.6,0.75) 2(-1.6,0.25) 3(-1.6,-0.25) 4(-1.6,-0.75) 5(1.6,-0.75) 6(1.6,-0.25) 7(1.6,0.25) 8(1.6,0.75)
  silkscreen extent -2.22,-1.3 2.23,1.78, body extent -1.55,-1.05 1.55,1.05, height 1
VSSOP10_CLOSEDBOTVIAS [mm] "TSSOP, 10-Leads, Body 3.15x3.00mm, Pitch 0.50mm, Thermal Pad 2.05.2x1.50.2mm, IPC High Density"
  rect 1.02x0.296 smd mask+0.104: 1(-2.4,1) 2(-2.4,0.5) 3(-2.4,0) 4(-2.4,-0.5) 5(-2.4,-1) 6(2.4,-1) 7(2.4,-0.5) 8(2.4,0) 9(2.4,0.5) 10(2.4,1)
  rrect50% 2.667x2.667 smd paste-1.397: 11(0,0)
  silkscreen extent -2.02,-1.7 0.65,1.82, body extent -1.55,-1.7 1.55,1.7, height 1.09
Wave_hole_3x7-singleSided#1 [mil]
  round 0 hole 118.11 unplated paste+0 mask-112: 0(0,0)
  round 0 hole 15 paste-20 mask-20: 1(-100,0) 1(-70,-70) 1(-70,70) 1(0,-100) 1(0,100) 1(70,-70) 1(70,70) 1(100,0)
  round 60 smd paste-5 mask+0: 1(-94.49,-39.37) 1(-94.49,39.37) 1(-39.37,-94.49) 1(-39.37,94.49) 1(39.37,-94.49) 1(39.37,94.49) 1(94.49,-39.37) 1(94.49,39.37)
  Top circle w64.96: c0,0 r105
  Bottom lines w64.96: 0,-105 cw(c0,0) 105,0 cw(c0,0) 77.16,-71.22 cw(c0,0) 0,-105
  body extent -105,-105 105,105
Wave_hole_3x7-singleSided#2 [mil]
  round 0 hole 118.11 unplated paste+0 mask-112: 0(0,0)
  round 0 hole 15 paste-20 mask-20: 1(-100,0) 1(-70,-70) 1(-70,70) 1(0,-100) 1(0,100) 1(70,-70) 1(70,70) 1(100,0)
  round 60 smd paste-5 mask+0: 1(-94.49,-39.37) 1(-94.49,39.37) 1(-39.37,-94.49) 1(-39.37,94.49) 1(39.37,-94.49) 1(39.37,94.49) 1(94.49,-39.37) 1(94.49,39.37)
  Top circle w64.96: c0,0 r105
  Bottom lines w64.96: -3.94,-104.93 cw(c0,0) 105,0 ; -3.94,-104.93 cw(c0,0) 105,0 ; -3.94,-104.93 cw(c0,0) 105,0 ; -3.94,-104.93 cw(c0,0) 105,0 ; -3.94,-104.93 cw(c0,0) 105,0 ; -3.94,-104.93 cw(c0,0) 105,0 ; -3.94,-104.93 cw(c0,0) 105,0 ; -3.94,-104.93 ccw(c0,0) 82.44,-65.03 ; -3.94,-104.93 ccw(c0,0) 82.44,-65.03 ; 82.44,-65.03 ccw(c0,0) 105,0 ; 82.44,-65.03 ccw(c0,0) 105,0
  body extent -105,-105 105,105
Wave_hole_3x7-singleSided#3 [mil]
  round 0 hole 118.11 unplated paste+0 mask-112: 0(0,0)
  round 0 hole 15 paste-20 mask-20: 1(-100,0) 1(-70,-70) 1(-70,70) 1(0,-100) 1(0,100) 1(70,-70) 1(70,70) 1(100,0)
  round 60 smd paste-5 mask+0: 1(-94.49,-39.37) 1(-94.49,39.37) 1(-39.37,-94.49) 1(-39.37,94.49) 1(39.37,-94.49) 1(39.37,94.49) 1(94.49,-39.37) 1(94.49,39.37)
  Top circle w64.96: c0,0 r105
  Bottom lines w64.96: -74.25,74.25 ccw(c0,0) 74.25,-74.25 ccw(c0,0) 97.3,-39.48 ccw(c0,0) 105,0 ccw(c0,0) -74.25,74.25
  body extent -105,-105 105,105
XAL50xx_VLS6045 [mm] "Precision Wire Wound Inductor, 2-Leads, Body 5.28x5.48mm, IPC High Density"
  rect 1.985x5.1 smd: 1(-2,0) 2(2,0)
  silkscreen extent -3.3,-3.3 3.3,3.3, body extent -2.74,-2.84 2.74,2.84, height 4.25
"XDFN4 1X1" [mm]
  rect 0.26x0.26 smd paste-0.2 mask-0.152: 1(-0.33,-0.49) 2(0.33,-0.49) 3(0.33,0.49) 4(-0.33,0.49)
  rect 0.383x0.383 smd rot 45 mask+0: T(0,0)
  Top region: -0.46,0.21 -0.35,0.21 -0.2,0.36 -0.2,0.6 -0.46,0.6
  Top region: 0.46,-0.21 0.35,-0.21 0.2,-0.36 0.2,-0.6 0.46,-0.6
  Top region: -0.46,-0.21 -0.35,-0.21 -0.2,-0.36 -0.2,-0.6 -0.46,-0.6
  Top region: 0.46,0.21 0.35,0.21 0.2,0.36 0.2,0.6 0.46,0.6
  silkscreen extent -0.68,-0.67 -0.58,-0.57, body extent -0.5,-0.5 0.5,0.5, height 0.43